# Altium PCB tools.PcbDoc (part 1 of 2)
Units mil, origin at the board's own origin, x right, y up, seen from the top; angles counter-clockwise.
Board outline 3234.68 x 4248.06 mil, 2 copper layers (Top Layer, Bottom Layer); 96 components, 68 nets, 398 pads, 109 vias.
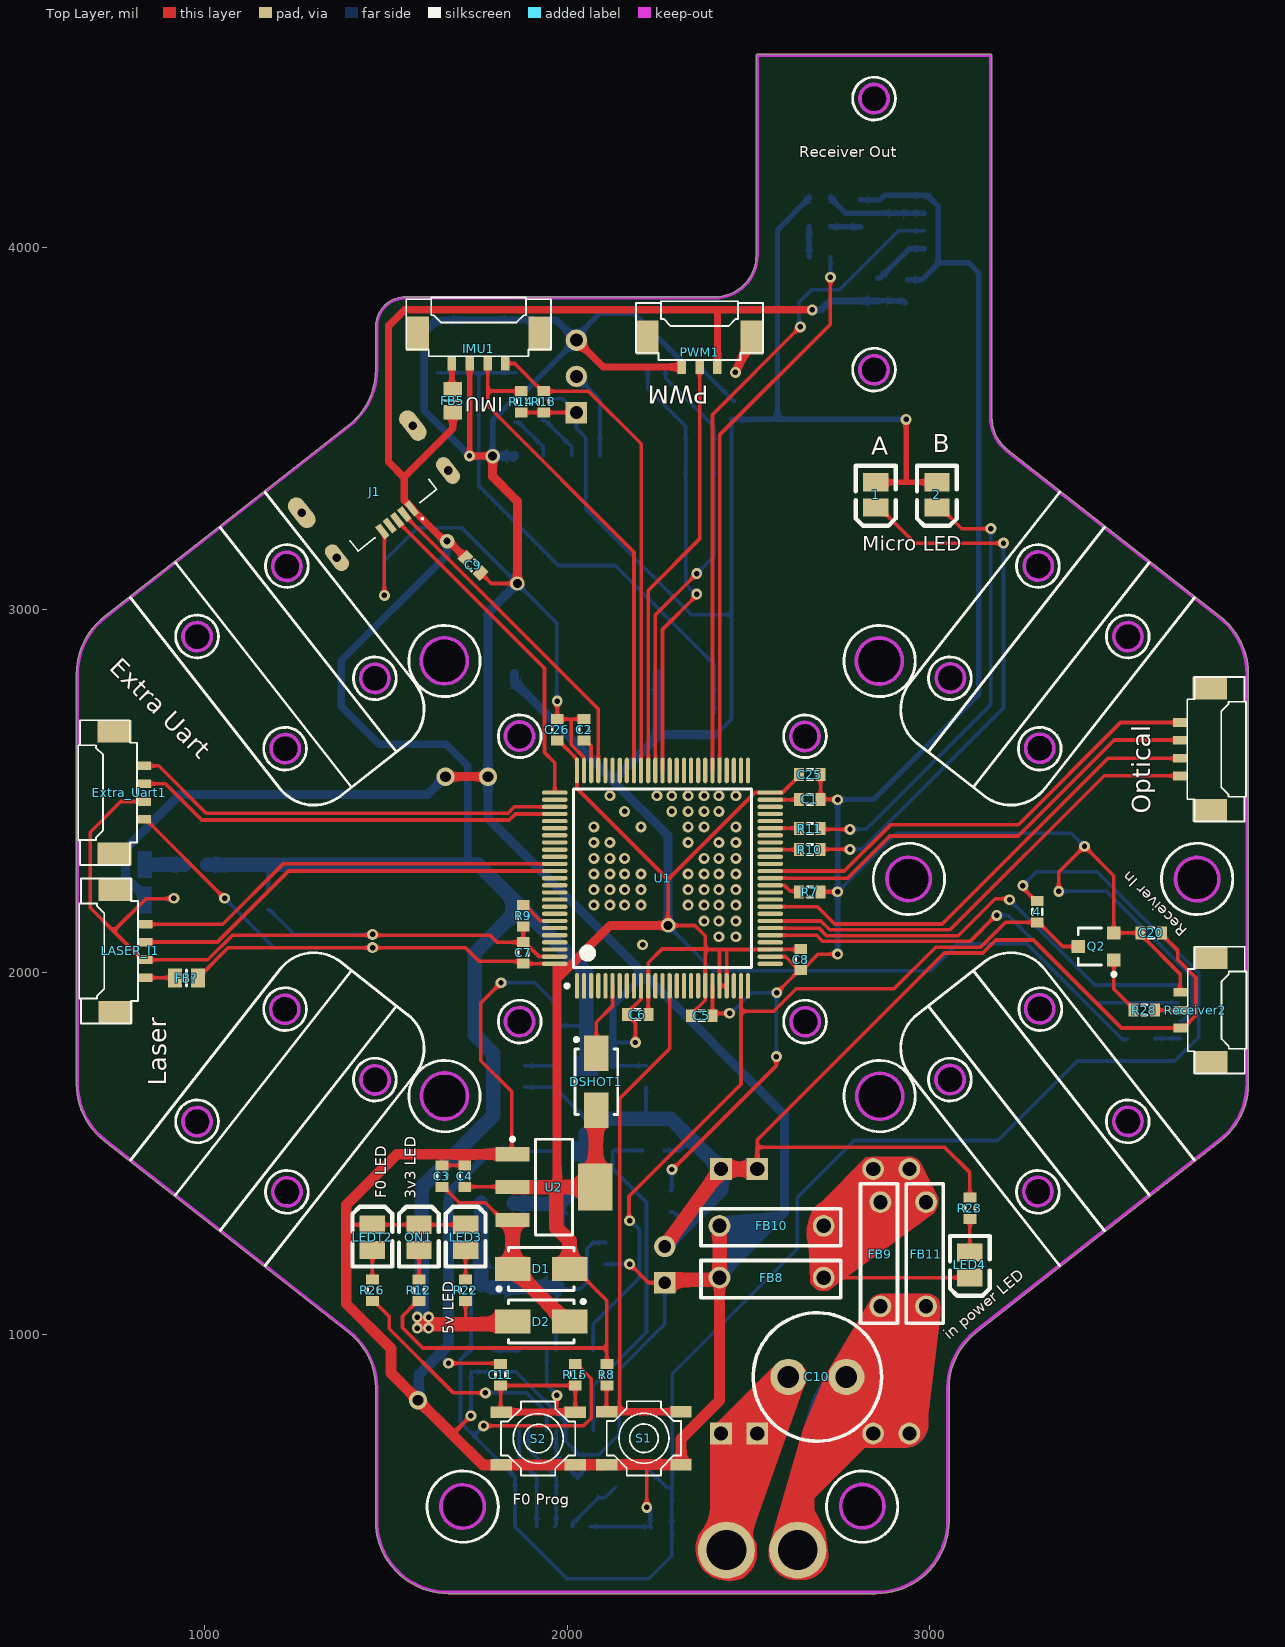
[diagram p0: Top Layer view]
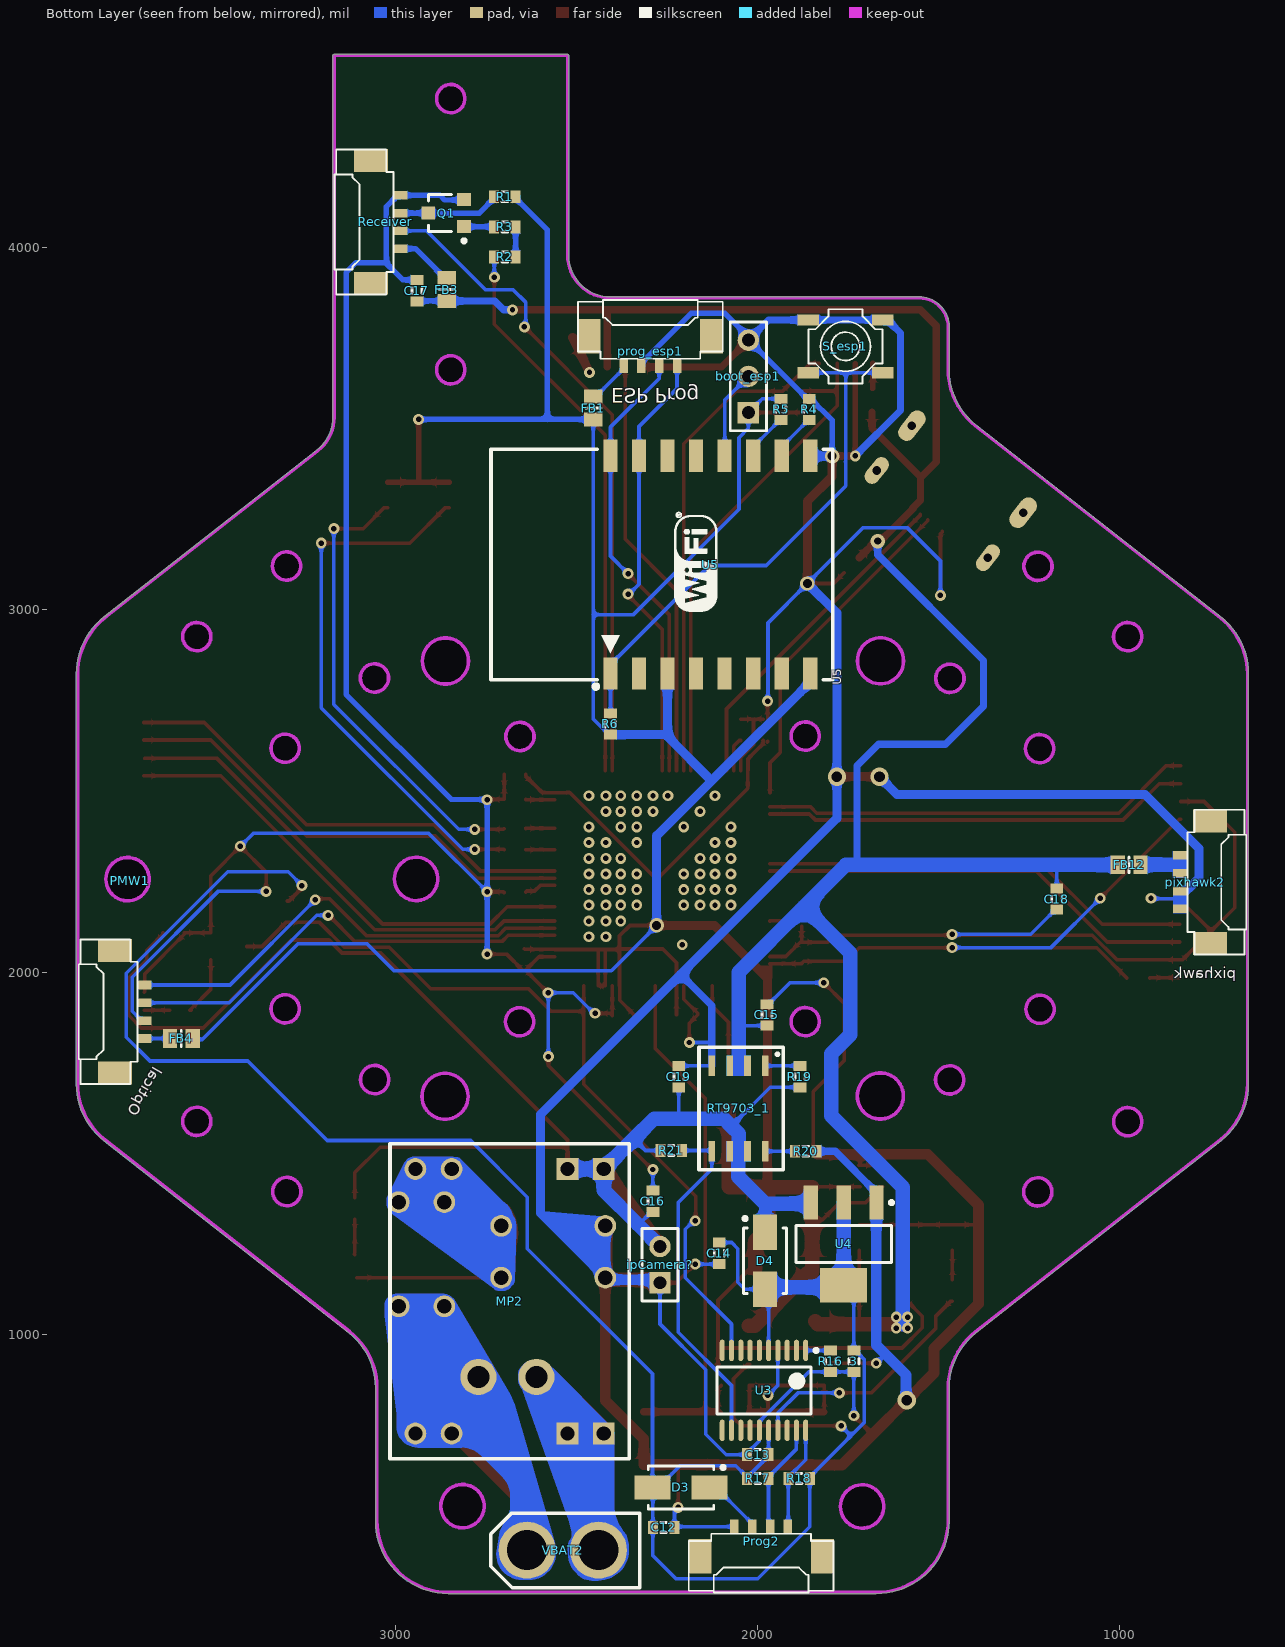
[diagram p1: Bottom Layer view, seen from below]

## Layer stack, top to bottom
Top Solder: solder mask 0.4, Solder Resist, Dk 3.5
Top Layer: signal copper 1.4
Dielectric 1: dielectric 12.6, FR-4, Dk 4.8
Bottom Layer: signal copper 1.4
Bottom Solder: solder mask 0.4, Solder Resist, Dk 3.5

## Board outline
721.87,1534.1 1397.11,1004.55 cw(c1278.07,852.76) 1470.97,852.76 1470.97,485.79 ccw(c1671.77,485.79) 1671.77,284.99 2852.88,284.99 ccw(c2852.88,485.79) 3053.68,485.79 3053.68,852.76 cw(c3246.58,852.76) 3127.54,1004.55 3802.78,1534.1 ccw(c3678.86,1692.11) 3879.67,1692.11 3879.67,2822.77 ccw(c3678.86,2822.77) 3802.78,2980.78 3215.5,3441.35 cw(c3285.95,3531.18) 3215.48,3441.36 cw(c3285.95,3531.18) 3171.79,3531.18 3171.79,4529.09 ccw(c3167.84,4529.09) 3167.84,4533.05 2525.01,4533.05 ccw(c2525.01,4529.09) 2521.05,4529.09 2521.05,3977.91 cw(c2406.9,3977.91) 2406.9,3863.76 1553.66,3863.76 ccw(c1553.66,3781.06) 1470.97,3781.06 1470.97,3662.12 cw(c1278.07,3662.12) 1397.11,3510.33 721.87,2980.78 ccw(c845.79,2822.77) 644.99,2822.77 644.99,1692.11 ccw(c845.79,1692.11)
cut-out: 3678.86,2257.44 ccw(c3737.92,2257.44) 3737.92,2198.39 ccw(c3737.92,2257.44) 3796.97,2257.44 ccw(c3737.92,2257.44) 3737.92,2316.5 ccw(c3737.92,2257.44)
cut-out: 2616.66,1863.74 ccw(c2656.03,1863.74) 2656.03,1824.37 ccw(c2656.03,1863.74) 2695.4,1863.74 ccw(c2656.03,1863.74) 2656.03,1903.11 ccw(c2656.03,1863.74)
cut-out: 2846.42,4371.61 cw(c2846.42,4410.98) 2807.05,4410.98 cw(c2846.42,4410.98) 2846.42,4450.35 cw(c2846.42,4410.98) 2885.79,4410.98 cw(c2846.42,4410.98)
cut-out: 2846.42,3623.58 cw(c2846.42,3662.95) 2807.05,3662.95 cw(c2846.42,3662.95) 2846.42,3702.32 cw(c2846.42,3662.95) 2885.79,3662.95 cw(c2846.42,3662.95)
cut-out: 1660.95,2795.83 cw(c1660.95,2858.82) 1597.96,2858.82 cw(c1660.95,2858.82) 1660.95,2921.81 cw(c1660.95,2858.82) 1723.94,2858.82 cw(c1660.95,2858.82)
cut-out: 978.15,2887.2 cw(c978.15,2926.57) 938.78,2926.57 cw(c978.15,2926.57) 978.15,2965.94 cw(c978.15,2926.57) 1017.52,2926.57 cw(c978.15,2926.57)
cut-out: 1468.94,1664.37 cw(c1468.94,1703.74) 1429.57,1703.74 cw(c1468.94,1703.74) 1468.94,1743.11 cw(c1468.94,1703.74) 1508.31,1703.74 cw(c1468.94,1703.74)
cut-out: 2754.45,525.16 ccw(c2813.51,525.16) 2813.51,466.1 ccw(c2813.51,525.16) 2872.56,525.16 ccw(c2813.51,525.16) 2813.51,584.21 ccw(c2813.51,525.16)
cut-out: 1652.09,525.16 ccw(c1711.14,525.16) 1711.14,466.1 ccw(c1711.14,525.16) 1770.2,525.16 ccw(c1711.14,525.16) 1711.14,584.21 ccw(c1711.14,525.16)
cut-out: 2616.66,2651.14 ccw(c2656.03,2651.14) 2656.03,2611.77 ccw(c2656.03,2651.14) 2695.4,2651.14 ccw(c2656.03,2651.14) 2656.03,2690.51 ccw(c2656.03,2651.14)
cut-out: 1868.62,2611.77 cw(c1868.62,2651.14) 1829.25,2651.14 cw(c1868.62,2651.14) 1868.62,2690.51 cw(c1868.62,2651.14) 1907.99,2651.14 cw(c1868.62,2651.14)
cut-out: 3264.18,2616.78 ccw(c3303.55,2616.78) 3303.55,2577.41 ccw(c3303.55,2616.78) 3342.92,2616.78 ccw(c3303.55,2616.78) 3303.55,2656.15 ccw(c3303.55,2616.78)
cut-out: 3507.13,2926.57 ccw(c3546.5,2926.57) 3546.5,2887.2 ccw(c3546.5,2926.57) 3585.87,2926.57 ccw(c3546.5,2926.57) 3546.5,2965.94 ccw(c3546.5,2926.57)
cut-out: 3259.3,3120.94 ccw(c3298.67,3120.94) 3298.67,3081.57 ccw(c3298.67,3120.94) 3338.04,3120.94 ccw(c3298.67,3120.94) 3298.67,3160.31 ccw(c3298.67,3120.94)
cut-out: 3016.34,2811.14 ccw(c3055.71,2811.14) 3055.71,2771.77 ccw(c3055.71,2811.14) 3095.08,2811.14 ccw(c3055.71,2811.14) 3055.71,2850.51 ccw(c3055.71,2811.14)
cut-out: 1468.94,2771.77 cw(c1468.94,2811.14) 1429.57,2811.14 cw(c1468.94,2811.14) 1468.94,2850.51 cw(c1468.94,2811.14) 1508.31,2811.14 cw(c1468.94,2811.14)
cut-out: 1225.99,3081.57 cw(c1225.99,3120.94) 1186.62,3120.94 cw(c1225.99,3120.94) 1225.99,3160.31 cw(c1225.99,3120.94) 1265.36,3120.94 cw(c1225.99,3120.94)
cut-out: 1221.1,2577.41 cw(c1221.1,2616.78) 1181.73,2616.78 cw(c1221.1,2616.78) 1221.1,2656.15 cw(c1221.1,2616.78) 1260.47,2616.78 cw(c1221.1,2616.78)
cut-out: 3259.3,1393.94 ccw(c3298.67,1393.94) 3298.67,1354.57 ccw(c3298.67,1393.94) 3338.04,1393.94 ccw(c3298.67,1393.94) 3298.67,1433.31 ccw(c3298.67,1393.94)
cut-out: 3507.13,1588.31 ccw(c3546.5,1588.31) 3546.5,1548.94 ccw(c3546.5,1588.31) 3585.87,1588.31 ccw(c3546.5,1588.31) 3546.5,1627.68 ccw(c3546.5,1588.31)
cut-out: 3264.18,1898.1 ccw(c3303.55,1898.1) 3303.55,1858.73 ccw(c3303.55,1898.1) 3342.92,1898.1 ccw(c3303.55,1898.1) 3303.55,1937.47 ccw(c3303.55,1898.1)
cut-out: 3016.34,1703.74 ccw(c3055.71,1703.74) 3055.71,1664.37 ccw(c3055.71,1703.74) 3095.08,1703.74 ccw(c3055.71,1703.74) 3055.71,1743.11 ccw(c3055.71,1703.74)
cut-out: 2798.74,1658.03 ccw(c2861.74,1658.03) 2861.74,1595.04 ccw(c2861.74,1658.03) 2924.73,1658.03 ccw(c2861.74,1658.03) 2861.74,1721.02 ccw(c2861.74,1658.03)
cut-out: 1597.96,1658.03 ccw(c1660.95,1658.03) 1660.95,1595.04 ccw(c1660.95,1658.03) 1723.94,1658.03 ccw(c1660.95,1658.03) 1660.95,1721.02 ccw(c1660.95,1658.03)
cut-out: 1225.99,1354.57 cw(c1225.99,1393.94) 1186.62,1393.94 cw(c1225.99,1393.94) 1225.99,1433.31 cw(c1225.99,1393.94) 1265.36,1393.94 cw(c1225.99,1393.94)
cut-out: 978.15,1548.94 cw(c978.15,1588.31) 938.78,1588.31 cw(c978.15,1588.31) 978.15,1627.68 cw(c978.15,1588.31) 1017.52,1588.31 cw(c978.15,1588.31)
cut-out: 1221.1,1858.73 cw(c1221.1,1898.1) 1181.73,1898.1 cw(c1221.1,1898.1) 1221.1,1937.47 cw(c1221.1,1898.1) 1260.47,1898.1 cw(c1221.1,1898.1)
cut-out: 1829.25,1863.74 ccw(c1868.62,1863.74) 1868.62,1824.37 ccw(c1868.62,1863.74) 1907.99,1863.74 ccw(c1868.62,1863.74) 1868.62,1903.11 ccw(c1868.62,1863.74)
cut-out: 2798.74,2858.82 ccw(c2861.74,2858.82) 2861.74,2795.83 ccw(c2861.74,2858.82) 2924.73,2858.82 ccw(c2861.74,2858.82) 2861.74,2921.81 ccw(c2861.74,2858.82)
cut-out: 2883.59,2257.44 ccw(c2942.64,2257.44) 2942.64,2198.39 ccw(c2942.64,2257.44) 3001.7,2257.44 ccw(c2942.64,2257.44) 2942.64,2316.5 ccw(c2942.64,2257.44)

## Design rules (kind name [scope] priority, off if disabled: settings)
Clearance [All] p1: gap=6 ignorepadtopadclearanceinfootprint=FALSE
ComponentClearance [All] p1 off: gap=10 collisioncheckmode=3 verticalgap=10 showdistances=FALSE
PolygonConnect [All] p1: connectstyle=Direct reliefconductorwidth=10 reliefentries=4 polygonreliefangle="90 Angle" airgapwidth=10
RoutingVias [All] p1: holewidth=28 width=50 viastyle="Through Hole" minholewidth=28 minwidth=50 maxholewidth=28 maxwidth=50
SolderMaskExpansion [All] p1: expansion=4
Width [All] p1: maxlimit=60 minlimit=10 preferedwidth=10
29 further rules are at their usual default settings.

## Classes and differential pairs
component class Power: 3 C10 C11 C12 C13 C14 C15 C16 C18 C19 D3 D4 FB8 FB9 FB10 FB11 FB12 ipCamera? LED3 LED4 LEDT2 MP2 pixhawk2 prog2 R15 R16 R17 R18 R19 R20 R21 R22 R23 R26 RT9703_1 S2 U3 U4 VBAT2
component class Micro: 1 2 C1 C2 C3 C4 C5 C6 C7 C8 C9 C25 C26 D1 D2 DSHOT1 J1 ON1 R7 R8 R9 R10 R11 R12 R13 R14 S1 U1 U2
component class commucational: 4 boot_esp1 C17 C20 Extra_Uart1 FB1 FB3 FB4 FB5 FB? IMU1 LASER_I1 PMW1 prog_esp1 PWM1 Q1 Q2 R1 R2 R3 R4 R5 R6 R28 Receiver Receiver2 S_esp1 U5

## Components (designator, comment, footprint, x,y, rotation, side; value= is the part's Value field where it differs from the comment)
1 "LEDB" 3518 2851,3317.23 r270 top
2 "LEDG" 3518 3020,3317.23 r270 top
3 "Cap" j1-0603 1734,926.55 r90 bottom value=100nF
4 "Res" J1-0603 3297,2167 r90 top value=10K
boot_esp1 "Header 3" HDR1X3 2025,3544.3 r90 bottom
C1 "2.2uF" j1-0603 2669.39,2477 r0 top
C2 "2.2uF" j1-0603 2046.1,2669 r90 top
C3 "10uF" J1-0603 1653.87,1437.43 r270 top value=100nF
C4 "10uF" J1-0603 1716.77,1437.43 r270 top value=100nF
C5 "100nF" j1-0603 2371.36,1880 r180 top
C6 "100nF" J1-0603 2194,1883 r0 top
C7 "100nF" j1-0603 1878.25,2053.3 r270 top
C8 "100nF" J1-0603 2644,2035 r90 top
C9 "10uF" j1-0603 1740,3122.88 r135 top value=100nF
C10 "Cap_UP" "Deep Cap gerdaloo" 2770,883 r180 top value=100pF
C11 "" j1-0603 1816,889 r270 top value=100nF
C12 "" j1-0603 2259,468.03 r0 bottom value=100nF
C13 "Cap" j1-0603 1999,668.63 r180 bottom value=100nF
C14 "Cap_El" J1-0603 2105.32,1224.41 r270 bottom value=10uF
C15 "Cap Pol1" J1-0603 1973.72,1882 r90 bottom value=33uf
C16 "Cap Pol1" J1-0603 2288.53,1368 r90 bottom value=10uf
C17 "" j1-0603 2940,3881 r270 bottom value=100nF
C18 "" j1-0603 1174,2202 r90 bottom value=100nF
C19 "" j1-0603 2217,1712 r270 bottom value=100nF
C20 "" j1-0603 3611,2108.4 r0 top value=100nF
C25 "100nF" j1-0603 2669.39,2545.59 r180 top
C26 "100nF" j1-0603 1972,2669 r270 top
D1 "SM5822" US1M 1927.71,1181 r180 top
D2 "SM5822" US1M 1927.71,1036 r0 top
D3 "1N4007" US1M 2211,578 r180 bottom
D4 "1N4007" US1M 1979,1204 r90 bottom
DSHOT1 "SM5822" US1M 2080,1698 r90 top
Extra_Uart1 "uart" "SHeader 4" 832,2421.79 r90 top locked
FB1 "Ferrite Beed" 6-0805_L 2453,3557 r90 bottom
FB3 "Ferrite Beed" 6-0805_L 2857,3884 r90 bottom
FB4 "Ferrite Beed" 6-0805_L 3590,1817.06 r0 bottom
FB5 "Ferrite Beed" 6-0805_L 1684,3577 r90 top
FB8 "Ferrite Beed" deepFB 2707.38,1157 r180 top
FB9 "Ferrite Beed" deepFB 2864,1078 r90 top
FB10 "Ferrite Beed" deepFB 2707.38,1300 r180 top
FB11 "Ferrite Beed" deepFB 2990,1078 r90 top
FB12 "Ferrite Beed" 6-0805_L 974.27,2296 r180 bottom
FB? "Ferrite Beed" 6-0805_L 949,1984 r0 top
IMU1 "IMU_I2C" "SHeader 4" 1681.57,3680 r0 top locked
ipCamera? "Header 2" HDR1X2 2269,1143 r90 bottom
J1 "476421001" *MOLEX_476421001_476421001(Primary) 1450.29,3350 r218.1 top
LASER_I1 "Header 4" "SHeader 4" 835,1984.79 r90 top locked
LED3 "LED1" 3518 1719.18,1268 r90 top
LED4 "LED1" 3518 3111,1192 r270 top
LEDT2 "" 3518 1462,1268 r90 top
MP2 "MP1584" MP1584 2424,727 r90 bottom locked
ON1 "LEDR" 3518 1590.59,1268 r90 top
pixhawk2 "Header" "SHeader 4" 833,2322.21 r270 bottom locked
PMW1 "PMW(optical flow majule)" "PMW(optical flow)" 3793.12,2267.95 r90 bottom locked
Prog2 "programmer" "SHeader 4" 1915.79,470 r0 bottom locked (schematic designator prog2)
prog_esp1 "Header 4" "SHeader 4" 2369.53,3673.31 r180 bottom locked
PWM1 "Header 3" "SHeader 3" 2315.79,3670 r0 top locked
Q1 "2N2222" SOT-23 2859,4095 r90 bottom
Q2 "2N2222" SOT-23 3459,2071 r90 top
R1 "10k" J1-0603 2697,4140 r180 bottom value=1K
R2 "10k" J1-0603 2697,3974 r180 bottom value=1K
R3 "10k" J1-0603 2697,4057 r180 bottom value=1K
R4 "Res1" J1-0603 1857,3553 r90 bottom value=10K
R5 "Res1" J1-0603 1935,3553 r90 bottom value=10K
R6 "Res1" J1-0603 2405.59,2685 r270 bottom value=10K
R7 "10K" j1-0603 2669.39,2221 r180 top value=1K
R8 "10K" j1-0603 2109,889 r270 top value=1K
R9 "10K" j1-0603 1878.25,2155.66 r270 top
R10 "330" j1-0603 2669.39,2338.28 r180 top value=1K
R11 "330" j1-0603 2669.39,2396.35 r180 top value=1K
R12 "330" J1-0603 1590.59,1122 r270 top value=1K
R13 "4.7K" j1-0603 1935,3574 r90 top value=1K
R14 "4.7K" j1-0603 1873,3574 r90 top value=1K
R15 "" J1-0603 2022,889 r270 top value=10k
R16 "10k" j1-0603 1798,926.55 r90 bottom value=1K
R17 "" J1-0603 1999,603 r180 bottom value=10k
R18 "" J1-0603 1885,603 r0 bottom value=10k
R19 "Res1" j1-0603 1883,1712 r90 bottom value=10K
R20 "Res1" j1-0603 1867,1505.89 r0 bottom value=47K
R21 "Res1" j1-0603 2238,1508 r0 bottom value=4.7K
R22 "Res1" j1-0603 1719.18,1122 r90 top value=330
R23 "Res1" j1-0603 3111,1348.27 r270 top value=330
R26 "Res1" j1-0603 1462,1122 r90 top value=220
R28 "Res" J1-0603 3592,1895.32 r180 top value=10K
Receiver "Header" "SHeader 4" 2985,3996.57 r90 bottom locked
Receiver2 "Header 3" "SHeader 3" 3692.31,1944.53 r270 top locked
RT9703_1 "RT9703( 3A power switch)" RT9703 2052,1624 r270 bottom
S1 "SW-PB" SW-PB-4P 2109,786.67 r0 top
S2 "RST-SW" SW-PB-4P 2022,640.33 r180 top
S_esp1 "SW-PB" SW-PB-4P 1654.74,3654.33 r0 bottom
U1 "STM32F40X_41X-SQ100" 100A_N 2262.64,2259.54 r90 top locked
U2 "REG1117-3.3" SOT223 1963,1407 r0 top
U3 "STM32F030F4" STM-TSSOP20_L 1982,846 r270 bottom
U4 "REG1117-3.3" SOT223 1762,1250 r270 bottom
U5 "ESP8266 ESP_12" "ESP8266 ESP_12" 2130,3125 r90 bottom locked
VBAT2 "Header 2" xt-30 2738.21,507.36 r270 bottom

## Footprints (in the part's own frame and the unit in brackets; to place one, negate y for a bottom-side part, rotate by r counter-clockwise, add the part's x,y. Pads: shape width x height; smd on the part's side, far side on the other; paste and mask are expansions set on the pad)
6-0805_L [mm] "Chip Resistor, Body 2.0x1.2mm, IPC High Density"
  rect 1x1.3 smd: 1(-0.8,0) 2(0.8,0)
  silkscreen extent 0,-0.55 0,0.55, body extent -1.07,-0.7 1.07,0.7, height 0.7
100A_N [mm] "Thin QFP, 100-Leads, Body 14x14mm, Pitch 0.5mm, IPC Medium Density"
  oval 1.8x0.3 smd: 1(-7.55,6) 2(-7.55,5.5) 3(-7.55,5) 4(-7.55,4.5) 5(-7.55,4) 6(-7.55,3.5) 7(-7.55,3) 8(-7.55,2.5) 9(-7.55,2) 10(-7.55,1.5) 11(-7.55,1) 12(-7.55,0.5) 13(-7.55,0) 14(-7.55,-0.5) 15(-7.55,-1) 16(-7.55,-1.5) 17(-7.55,-2) 18(-7.55,-2.5) 19(-7.55,-3) 20(-7.55,-3.5) 21(-7.55,-4) 22(-7.55,-4.5) 23(-7.55,-5) 24(-7.55,-5.5) 25(-7.55,-6) 51(7.55,-6) 52(7.55,-5.5) 53(7.55,-5) 54(7.55,-4.5) 55(7.55,-4) 56(7.55,-3.5) 57(7.55,-3) 58(7.55,-2.5) 59(7.55,-2) 60(7.55,-1.5) 61(7.55,-1) 62(7.55,-0.5) 63(7.55,0) 64(7.55,0.5) 65(7.55,1) 66(7.55,1.5) 67(7.55,2) 68(7.55,2.5) 69(7.55,3) 70(7.55,3.5) 71(7.55,4) 72(7.55,4.5) 73(7.55,5) 74(7.55,5.5) 75(7.55,6)
  oval 0.3x1.8 smd: 26(-6,-7.55) 27(-5.5,-7.55) 28(-5,-7.55) 29(-4.5,-7.55) 30(-4,-7.55) 31(-3.5,-7.55) 32(-3,-7.55) 33(-2.5,-7.55) 34(-2,-7.55) 35(-1.5,-7.55) 36(-1,-7.55) 37(-0.5,-7.55) 38(0,-7.55) 39(0.5,-7.55) 40(1,-7.55) 41(1.5,-7.55) 42(2,-7.55) 43(2.5,-7.55) 44(3,-7.55) 45(3.5,-7.55) 46(4,-7.55) 47(4.5,-7.55) 48(5,-7.55) 49(5.5,-7.55) 50(6,-7.55) 76(6,7.55) 77(5.5,7.55) 78(5,7.55) 79(4.5,7.55) 80(4,7.55) 81(3.5,7.55) 82(3,7.55) 83(2.5,7.55) 84(2,7.55) 85(1.5,7.55) 86(1,7.55) 87(0.5,7.55) 88(0,7.55) 89(-0.5,7.55) 90(-1,7.55) 91(-1.5,7.55) 92(-2,7.55) 93(-2.5,7.55) 94(-3,7.55) 95(-3.5,7.55) 96(-4,7.55) 97(-4.5,7.55) 98(-5,7.55) 99(-5.5,7.55) 100(-6,7.55)
  silkscreen extent -7.67,-6.25 6.25,6.82, body extent -7,-7 7,7, height 1.2
3518 [mil]
  rect 50x70 smd: 1(35,0) 2(-35,0)
  silkscreen extent -80,-55 85,55
*MOLEX_476421001_476421001(Primary) [mm]
  rect 0.45x1.1 smd: 1(-1.3,3.285) 2(-0.65,3.285) 3(0,3.285) 4(0.65,3.285) 5(1.3,3.285)
  oval 1.2x2.4 hole 0.6: P1(-4.95,-1.235) P2(4.95,-1.235)
  oval 1.05x2.1 hole 0.6: P3(-4.95,2.765) P4(4.95,2.765)
  silkscreen extent -3.5,2.41 3.5,4.36
"Deep Cap gerdaloo" [mil]
  round 100 hole 60: 1(0,0) 2(160,0)
  silkscreen extent -97,-177 257,177
deepFB [mil]
  round 60 hole 39.37: 1(0,0) 2(287.4,0)
  silkscreen extent -47,-47 339,55
"ESP8266 ESP_12" [mm] "ESP8266 ESP-12"
  rect 2.25x1 smd: 1(-7.625,7) 2(-7.625,5) 3(-7.625,3) 4(-7.625,1) 5(-7.625,-1) 6(-7.625,-3) 7(-7.625,-5) 8(-7.625,-7) 9(7.625,-7) 10(7.625,-5) 11(7.625,-3) 12(7.625,-1) 13(7.625,1) 14(7.625,3) 15(7.625,5) 16(7.625,7)
  silkscreen extent -8.7,-8.57 8.08,15.37, body extent -7.86,-8.52 8.16,15.51, height 3.82
HDR1X2 [mm] "Connector; Header; 2 Position"
  rect 1.5x1.5 hole 0.9: 1(0,0)
  round 1.5 hole 0.9: 2(2.54,0)
  silkscreen extent -1.27,-1.27 3.81,1.27
HDR1X3 [mm] "Connector; Header; 3 Position"
  rect 1.5x1.5 hole 0.9: 1(0,0)
  round 1.5 hole 0.9: 2(2.54,0) 3(5.08,0)
  silkscreen extent -1.27,-1.27 6.35,1.27
j1-0603 [mm] "Chip Resistor, Body 1.6x0.8mm, IPC High Density"
  rect 0.7x0.9 smd: 1(-0.75,0) 2(0.75,0)
  silkscreen extent -0.2,-0.35 0.2,0.35, body extent -0.85,-0.48 0.85,0.48, height 0.9
J1-0603 [mm] "Chip Resistor, Body 1.6x0.8mm, IPC High Density"
  rect 0.7x0.9 smd: 1(-0.75,0) 2(0.75,0)
  silkscreen extent -0.2,-0.35 0.2,0.35, body extent -0.85,-0.48 0.85,0.48, height 0.9
MP1584 [mil]
  round 60 hole 39.37: GND1(0,420) GND1(0,520) GND2(730,420) GND2(730,520)
  rect 60x60 hole 39.37: Vi(0,0) Vi(0,100) Vo(730,0) Vo(730,100)
  silkscreen extent -70,-70 800,590, body extent -69,-75 801,587, height 161
"PMW(optical flow)" [mm]
  rect 1.6x2.4 smd: 0(-13.878,-0.511) 0(-5.278,-0.511)
  rect 1.6x2.4 smd far side: 0(4.522,-0.511) 0(13.122,-0.511)
  rect 0.6x1 smd: 3V3(-11.453,-2.586) CLK(-8.953,-2.586) GND(-10.203,-2.586) MISO(-7.703,-2.586)
  rect 0.6x1 smd far side: CS(8.197,-2.586) MOSI(6.947,-2.586) MOTION(10.697,-2.586) RST(9.447,-2.586)
  silkscreen extent -14.65,-2.09 -4.5,2.03, body extent -14.65,-2.71 13.9,2.06, height 3.5
RT9703 [mm]
  rect 1.42x0.47 smd: CE(3,-1.875) FLAG(-3,1.875) GND(-3,-1.875) IP(3,1.875) VIN(3,-0.625) VIN(3,0.625) VOUT(-3,-0.625) VOUT(-3,0.625)
  silkscreen extent -4.3,-2.78 4.3,3.13
"SHeader 3" [mm]
  rect 1.6x2.4 smd: 0(-2.425,2.075) 0(4.925,2.075)
  rect 0.6x1 smd: 1(0,0) 2(1.25,0) 3(2.5,0)
  silkscreen extent -3.2,0.5 5.7,4.62, body extent -3.2,-0.12 5.7,4.65, height 3.5
"SHeader 4" [mm]
  rect 1.6x2.4 smd: 0(-2.425,2.075) 0(6.175,2.075)
  rect 0.6x1 smd: 1(0,0) 2(1.25,0) 3(2.5,0) 4(3.75,0)
  silkscreen extent -3.2,0.5 6.95,4.62, body extent -3.2,-0.12 6.95,4.65, height 3.5
SOT223 [mm] "SOT223, 4-Leads, Body 6.7x7.3mm (max), Pitch 2.30mm, IPC Medium Density"
  rect 2.4x1 smd: 1(-2.9,2.3) 2(-2.9,0) 3(-2.9,-2.3)
  rect 2.4x3.3 smd: 4(2.9,0)
  silkscreen extent -3.02,-3.35 1.3,3.47, body extent -1.85,-3.35 1.85,3.35, height 1.8
SOT-23 [mm] "SOT-23; 3 Leads; Body 3.0 x 2.6 mm, inc. leads (LxW max)"
  rect 0.9x0.95 smd: 1(0,1.25) 2(-0.95,-1.25) 3(0.95,-1.25)
  silkscreen extent -2.07,-1.37 1.3,1.25, body extent -1.33,-0.38 1.33,1.25, height 2
STM-TSSOP20_L [mm] "SOP, 20-Leads, Body 6.6x4.5mm, Pitch 0.65mm, IPC High Density"
  oval 1.5x0.35 smd: 1(-2.8,2.925) 2(-2.8,2.275) 3(-2.8,1.625) 4(-2.8,0.975) 5(-2.8,0.325) 6(-2.8,-0.325) 7(-2.8,-0.975) 8(-2.8,-1.625) 9(-2.8,-2.275) 10(-2.8,-2.925) 11(2.8,-2.925) 12(2.8,-2.275) 13(2.8,-1.625) 14(2.8,-0.975) 15(2.8,-0.325) 16(2.8,0.325) 17(2.8,0.975) 18(2.8,1.625) 19(2.8,2.275) 20(2.8,2.925)
  silkscreen extent -2.92,-3.3 1.65,3.77, body extent -2.25,-3.3 2.25,3.3, height 1.2
SW-PB-4P [mm]
  rect 1.5x0.8 smd: 1(0,0) 1(5.2,0) 2(0,-3.7) 2(5.2,-3.7)
  silkscreen extent 0,-4.45 5.2,0.75, body extent 0,-4.45 5.22,0.75, height 2.2
US1M [mm] "Molded Diode, 2-Leads, Body 4.3x2.6mm, IPC Medium Density"
  rect 2.5x1.7 smd: 1(-2,0) 2(2,0)
  silkscreen extent -2.3,-1.5 3.07,1.52, body extent -2.3,-1.46 2.3,1.46, height 2.3
xt-30 [mm]
  round 4 hole 2.8: +(2.6,7.6) -(2.6,2.6)
  silkscreen extent 0,0.05 5.23,10.49, body extent 0.01,0.01 5.26,10.46, height 13.5

## Part data
1 2 ON1: library part LED0, "Typical INFRARED GaAs LED", LatestRevisionDate=08-Jul-2005, LatestRevisionNote="Mech Layer 1 removed.", PackageReference=LED-0, Published=8-Jun-2000, Publisher="Altium Limited"
3 C10 C13 C14: "Capacitor", Publisher="Altium Limited"
  3 C10 C13: LatestRevisionDate=17-Jul-2002, LatestRevisionNote="Re-released for DXP Platform.", PackageReference=RAD-0.3, Published=8-Jun-2000
  C14: PackageReference=CAPR5-4X5, Published=23-Sep-2002
4 R28: "Semiconductor Resistor", LatestRevisionDate=17-Jul-2002, LatestRevisionNote="Re-released for DXP Platform.", PackageReference=AXIAL-0.5, Published=8-Jun-2000, Publisher="Altium Limited"
boot_esp1 PWM1 Receiver2: "Header, 3-Pin", LatestRevisionDate=17-Jul-2002, LatestRevisionNote="Re-released for DXP Platform.", Publisher="Altium Limited"
C1 C2: library part Cap_UP, "Capacitor", LatestRevisionDate=17-Jul-2002, LatestRevisionNote="Re-released for DXP Platform.", PackageReference=RAD-0.3, Published=8-Jun-2000, Publisher="Altium Limited"
C3 C4 C5 C6 C7 C8 C9 C25 C26: library part Cap, "Capacitor", LatestRevisionDate=17-Jul-2002, LatestRevisionNote="Re-released for DXP Platform.", PackageReference=RAD-0.3, Published=8-Jun-2000, Publisher="Altium Limited"
C11 C12 C17 C18 C19 C20: library part Cap, "Capacitor", Manufacturer="Generic Components", Class=Passive, Published=08/06/2000, Publisher="Altium Hobart Technology Centre", SubClass=Capacitor
C15 C16: "Polarized Capacitor (Radial)", LatestRevisionDate=17-Jul-2002, LatestRevisionNote="Re-released for DXP Platform.", PackageReference=RB7.6-15, Published=8-Jun-2000, Publisher="Altium Limited"
D1 D2 DSHOT1: library part Diode_ShotKey, "1 Amp General Purpose Rectifier", Package Information="Latest Revision: Aug-1999", Package Reference=DO-41, Code - JEDEC=DO-204-AL, Datasheet="Latest Revision: 1998", Published=8-Jun-2000, Publisher="Altium Limited", Revision 1="11-Jul-2000: SIM Model Added.", Revision 2="17-Jul-2002: Re-released for DXP Platform."
D3 D4: library part Diode, "1 Amp General Purpose Rectifier", Package Information="Latest Revision: Aug-1999", Package Reference=DO-41, Code - JEDEC=DO-204-AL, Datasheet="Latest Revision: 1998", Published=8-Jun-2000, Publisher="Altium Limited", Revision 1="11-Jul-2000: SIM Model Added.", Revision 2="17-Jul-2002: Re-released for DXP Platform."
Extra_Uart1 IMU1 LASER_I1: library part MHDR1X4, "Header, 4-Pin", LatestRevisionDate=17-Jul-2002, LatestRevisionNote="Re-released for DXP Platform.", Publisher="Altium Limited"
ipCamera? VBAT2: "Header, 2-Pin", Publisher="Altium Limited"
  ipCamera?: LatestRevisionDate=17-Jul-2002, LatestRevisionNote="Re-released for DXP Platform."
  VBAT2: Revision="17-Jul-2002: Re-released for DXP Platform."
J1: "Micro-USB B Receptacle, Mid-Mount, with Through Hole Solder Tab, Gold _Au_ Flash Plating, without Mylar, Lead-Free", Package=None, Availability=Unavailable, MF=Molex, MP=476421001, Price=None, SnapEDA_Link=https://www.snapeda.com/parts/476421001/Molex/view-part/?ref=snap
LED3 LED4 LEDT2: library part LED3, "Typical BLUE SiC LED", PackageDocument=16-Apr-2002, DatasheetDocument=16-Apr-2002, LatestRevisionDate=17-Dec-2003, LatestRevisionNote="PCB Footprint replaced.", PackageReference=3.5X2.8X1.9, Published=8-Jun-2000, Publisher="Altium Limited"
pixhawk2 Prog2 Receiver: library part "Header 4", "Header, 4-Pin", LatestRevisionDate=17-Jul-2002, LatestRevisionNote="Re-released for DXP Platform.", Publisher="Altium Limited"
prog_esp1: "Header, 4-Pin", LatestRevisionDate=17-Jul-2002, LatestRevisionNote="Re-released for DXP Platform.", Publisher="Altium Limited"
Q1 Q2: "NPN Bipolar Transistor", Code_JEDEC=TO-226-AA, LatestRevisionDate=17-Jul-2002, LatestRevisionNote="Re-released for DXP Platform.", PackageReference=TO-226, Published=8-Jun-2000, Publisher="Altium Limited"
R1 R2 R3 R7 R8 R10 R11 R12 R13 R14 R16: library part Res1, "Resistor", LatestRevisionDate=17-Jul-2002, LatestRevisionNote="Re-released for DXP Platform.", PackageReference=AXIAL-0.3, Published=8-Jun-2000, Publisher="Altium Limited"
R4 R5 R6 R19 R20 R21 R22 R23 R26: "Resistor", LatestRevisionDate=17-Jul-2002, LatestRevisionNote="Re-released for DXP Platform.", PackageReference=AXIAL-0.3, Published=8-Jun-2000, Publisher="Altium Limited"
  R4 R5 R6: PackageDescription="Axial Device, Thru-Hole; 2 Leads; 0.3 in Pin Spacing"
R9 R15 R17 R18: library part Res, "Semiconductor Resistor", LatestRevisionDate=17-Jul-2002, LatestRevisionNote="Re-released for DXP Platform.", PackageReference=AXIAL-0.5, Published=8-Jun-2000, Publisher="Altium Limited"
S1 S_esp1: "Switch", LatestRevisionDate=17-Jul-2002, LatestRevisionNote="Re-released for DXP Platform.", PackageReference=SPST-2, Published=24-Mar-1999, Publisher="Altium Limited"
S2: library part SW-PB, "Switch", LatestRevisionDate=17-Jul-2002, LatestRevisionNote="Re-released for DXP Platform.", PackageReference=SPST-2, Published=24-Mar-1999, Publisher="Altium Limited"
U2 U4: "800mA and 1A Low Dropout Positive Regulator 2.85V, 3.3V, 5V, and Adjustable", ComponentLink1Description="Manufacturer Link", ComponentLink1URL=http://www.ti.com/, ComponentLink2Description=Datasheet, ComponentLink2URL=http://www-s.ti.com/sc/ds/REG1117.pdf, DatasheetVersion=Sep-1997, LatestRevisionDate=17-Jul-2002, LatestRevisionNote="Re-released for DXP Platform.", PackageDescription="SOT-223/SC-73; 4 Leads; Body 6.7 x 7.3 mm, inc. leads (LxW max)", PackageReference=ZZ311, PackageVersion=revC, Published=8-Jun-2000, Publisher="Altium Limited"
U3: "STM 32Bits Microcontroller"
U5: "ESP8266 ESP-12", IC=ESP8266-EX, LatestReviewer="Zion Blue", LatestRevisionData=14-Apr-2015, LatestRevisionNote="Include 3D body and Footprint", Published=14-Apr-2015, Publisher="Cynetik Group", Vendor=Ai-thinker
FB1 FB3 FB4 FB5 FB8 FB9 FB10 FB11 FB12 FB?: Code_IEC=1005, Code_JEITA=0402, LatestRevisionDate=17-Jul-2002, LatestRevisionNote="Re-released for DXP Platform.", PackageReference=0402-A, Published=8-Jun-2000, Publisher="Altium Limited"

## Via types
v1: diameter 30, hole 15, Top Layer to Bottom Layer, tented both sides, 102 vias
v2: diameter 50, hole 30, Top Layer to Bottom Layer, tented both sides, 3 vias
v3: diameter 40, hole 25, Top Layer to Bottom Layer, tented both sides, 3 vias
v4: diameter 40, hole 20, Top Layer to Bottom Layer, tented both sides, 1 vias

## Nets (pads, with @x,y where several pads share a name; then routed paths per layer and width w, separated by ;. In a path a pad name is that pad's centre, name@x,y a point inside that pad or via, vN(x,y) a via of type N, cw(c..) or ccw(c..) an arc to the next point about the centre after c; other vN are vias at no path point)
3V3: 1.2 2.2 boot_esp1.1 C4.2 C5.2 C6.2 C7.2 C8.2 C25.2 C26.2 D1.1 DSHOT1.1 Extra_Uart1.1 FB1.1 FB4.1 FB?.2 R1.2 R5.2 R6.2 R8.1 R12.2 R13.1 R14.1 U1.11 U1.19 U1.21 U1.22 U1.28 U1.50 U1.75 U1.100 U2.2 U2.4 U5.3 U5.8 | length 13134.2
  Top Layer w10: Extra_Uart1.1@832,2421.79 836.21,2421.79 v1(1054,2204) ; FB?.2@980.5,1984 1063.71,2067.21 1718.79,2067.21 1756,2030 1872.02,2030 C7.2@1878.25,2023.77 1878.48,2023.55 1965.17,2023.55 U1.100@1965.39,2023.32 ; R12.2@1590.59,1092.47 1586.65,1092.47 1545,1050.82 1545,1019 1601,963 2109,963 ; C4.2@1716.77,1407.91 U2.2@1842.39,1407.91 ; U2.2@1842.62,1400.79 U2.2@1848.83,1407 ; R14.1@1873,3544.47 R13.1@1935,3544.47 boot_esp1.1@2020.83,3544.47 ; C26.2@1972,2636.68 C26.2@1973.42,2635.26 ; C26.2@1984,2639.47 1984,2631 2026.07,2588.93 2026.07,2557.13 U1.75@2026.42,2556.79 2026.76,2556.44 2026.76,2507.24 2278,2256 ; D1.1@2006.45,1181 2022.2,1181 2109,1094.2 2109,963 ; D1.1@2007.74,1169 D1.1@2023.49,1169 ; boot_esp1.1@2013.83,3555.47 boot_esp1.1@2025,3544.3 ; R8.1@2105.06,918.53 R8.1@2109,918.53 ; R8.1@2112.94,918.53 R8.1@2109,918.53 ; C6.2@2223.53,1883 2223.4,1883.13 2223.4,1962.17 U1.11@2223.27,1962.3 2223.27,2026.27 2261,2064 2379.44,2064 2380.75,2062.69 ; C5.2@2341.83,1880 2341.83,1883.94 2380.4,1922.5 2380.4,1961.95 U1.19@2380.75,1962.3 2380.75,2062.69 ; C25.2@2639.86,2545.59 2639.86,2541.66 2593.97,2495.76 U1.50@2559.88,2495.76 2517.76,2495.76 2278,2256 ; C8.2@2644,2064.53 2642.51,2063.04 2560.23,2063.04 U1.28@2559.88,2062.69 2440,2062.69 ; R8.1@2109,918.53 2109,963 ; 2278,2256 v3(2278,2129) 2352,2129 2380.75,2100.25 2380.75,2062.69 ; 2380.75,2062.69 2421,2062.69 ; 2421,2062.69 2440,2062.69 ; 2421,2062.69 2419.77,2061.46 2419.77,1962.64 U1.21@2420.12,1962.3 U1.22@2439.8,1962.3 2439.8,2062.5 2440,2062.69
  Top Layer w15: 1.2@2851,3352.23 2933,3352.23 ; v1(2935,3525.5) 2935,3354.23 2933,3352.23 ; 2.2@3020,3352.23 2933,3352.23
  Top Layer w20: U2.2@1860.59,1399.24 U2.2@1861.83,1398
  Top Layer w25: 1972,1407 1972,1982 2119,2129 v3(2278,2129)
  Top Layer w40: U2.2@1848.83,1407 1954,1407 ; 1963,1407 1970,1407 ; D1.1@2006.45,1181 2006.45,1258.55 1970,1295 1970,1407 ; DSHOT1.1@2080,1619.26 2078.59,1617.85 2078.59,1408.41 U2.4@2077.17,1407 1972,1407 1970,1407
  Bottom Layer w10: v1(1054,2204) 1190,2068 v1(1462.67,2068) v1@1465,2068 ; R5.2@1935,3582.53 1986.78,3582.53 boot_esp1.1@2025,3544.3 2025,3501 2051,3475 2051,3278 2342,2987 2453,2987 ; v3(2278,2129) 2403,2004 3003,2004 3077,2078 3077,2079 3267,2079 3531.36,1814.64 FB4.1@3544.56,1814.64 ; R6.2@2405.59,2655.47 2409.53,2655.47 2453,2698.94 2453,2987 ; FB1.1@2453,3525.5 2453,2987
  Bottom Layer w15: FB1.1@2453,3525.5 2580,3525.5 ; R1.2@2667.47,4140 2667.47,4136.06 2580,4048.59 2580,3525.5 ; v1(2935,3525.5) 2580,3525.5
  Bottom Layer w25: U5.8@1854.41,2824.8 1854.41,2800.2 2115.8,2538.8 ; 2116.3,2538.3 2125.8,2528.8 ; U5.3@2248.11,2824.8 2248.11,2650.09 ; v3(2278,2129) 2278,2376.61 2125.8,2528.8 ; R6.2@2405.59,2655.47 2253.49,2655.47 2248.11,2650.09 ; 2125.8,2528.8 2126.82,2528.8 2248.11,2650.09
5V: C9.2 C15.1 C17.2 C18.2 D2.1 FB3.1 FB5.1 FB12.1 J1.1 PWM1.3 R22.1 RT9703_1.VOUT | length 7046.4
  Top Layer w10: 1719.18,1044.16 R22.1@1719.18,1092.47
  Top Layer w20: J1.1@1570.37,3279.81 1660.17,3190 v4(1668.25,3190) 1672.88,3190 C9.2@1719.12,3143.75 ; J1.1@1571.78,3281.21 1550.23,3302.76 1550.23,3364.77 ; FB5.1@1684,3545.5 1684,3500.49 1550.23,3366.72 1550.23,3364.77 ; PWM1.3@2414.21,3670 2414.21,3824.94 ; v1(2676,3828) 1551.04,3828 1506.8,3783.75 1506.8,3408.2 1550.23,3364.77
  Top Layer w40: 1598.65,1029 1833.57,1029 D2.1@1840.91,1036.35
  Bottom Layer w10: 1172,2296 1174,2294 C18.2@1174,2231.53 ; C15.1@1973.72,1852.47 2048.53,1852.47 2052,1849
  Bottom Layer w15: FB3.1@2857,3852.5 2927.09,3852.5 C17.2@2933,3846.6
  Bottom Layer w20: v4(1668.25,3190) 1668.25,3152.25 1376,2860 1376,2734 1480.73,2629.27 1666.01,2629.27 1725.39,2569.88 1725.39,2312.01 1740.4,2297 1755,2297 ; v1(2676,3828) 2700.77,3828 2725.27,3852.5 FB3.1@2857,3852.5
  Bottom Layer w40: FB12.1@1005.77,2296 1172,2296 1725.39,2296 1756,2296 ; 1598.65,1029 1598.65,1048.23 1598.65,1406.27 1796,1603.62 1796,1775 1744,1827 1744,2053 1871.5,2180.5 ; 1755,2297 1756,2296 ; 2052,1741 2052,1849 2052,2000 1871.5,2180.5 ; 1756,2296 1871.5,2180.5
  other v1: 1585.63,1017.72 1617.13,1017.72 1585.63,1048.23 1617.13,1048.23
5V_Direct: C16.1 C19.2 C20.2 D4.2 ipCamera?.2 MP2.Vo R19.1 R21.2 R23.1 Receiver2.3 RT9703_1.VIN U4.3 | length 4691.5
  Top Layer w10: MP2.Vo@2527,1454 MP2.Vo@2524,1457 2524,1517 ; R23.1@3111,1377.79 3111,1447.05 3041.05,1517 2524,1517 ; C20.2@3641.51,2109.39 C20.2@3640.53,2108.4 3640.53,2104.46 3685,2059.99 3685,2034.7 3735,1984.7 3735,1880.92 3700.18,1846.1 Receiver2.3@3692.31,1846.1 3529.4,1846.1 3286.5,2089 3182.63,2089 3146.63,2053 3040.2,2053 2524,1536.8 2524,1517
  Top Layer w40: ipCamera?.2@2269,1243 MP2.Vo@2424,1457 MP2.Vo@2524,1457
  Bottom Layer w10: R19.1@1883,1682.47 1964.78,1682.47 2072.12,1575.12 ; D4.2@1979,1266.99 D4.2@1979,1282.74 ; C19.2@2217,1682.47 2217,1598.25 2219,1596.25 ; ipCamera?.2@2263,1249 ipCamera?.2@2269,1243 ; R21.2@2267.53,1508 2309,1508 2341,1540 ; C16.1@2284.59,1338.47 C16.1@2288.53,1338.47 2292.46,1338.47 C16.1@2293.46,1337.47 ; C16.1@2287.53,1337.47 C16.1@2293.46,1337.47 ; C16.1@2294.06,1337.47 C16.1@2293.46,1337.47 ; 2331,1305 2325.94,1305 C16.1@2293.46,1337.47
  Bottom Layer w30: D4.2@1979,1282.74 1979,1361.46
  Bottom Layer w40: U4.3@1852.55,1364.17 1852.55,1361.77 1852.87,1361.46 1979,1361.46 2053,1435.46 2053,1474.31 ; 2048.75,1497 2051,1497 2051,1554 2072.12,1575.12 2093.25,1596.25 2219,1596.25 2284.75,1596.25 2341,1540 MP2.Vo@2424,1457 ; ipCamera?.2@2269,1243 2331,1305 2424,1398 MP2.Vo@2424,1457 ; MP2.Vo@2524,1457 MP2.Vo@2424,1457
5V_Switch_EN: R21.1 RT9703_1.CE U3.12 | length 952.9
  Bottom Layer w10: U3.12@2071.57,735.76 2071.57,859.57 2218.5,1006.5 2218.5,1364.5 2125.82,1457.18 RT9703_1.CE@2125.82,1505.89 2127.93,1508 R21.1@2208.47,1508
+3.3: 3.2 4.2 C12.2 C13.2 C14.1 D3.1 D4.1 R15.1 R17.1 R18.1 U3.5 U3.16 U4.2 U4.4 | length 6317.8
  Top Layer w10: v1(1769.07,748) 2044.83,748 2066,769.17 2066,878.46 2025.94,918.53 R15.1@2022,918.53 ; v1(3257,2239) 3257,2232.59 3293.06,2196.53 4.2@3297,2196.53
  Bottom Layer w10: U4.4@1738.83,1129.83 1734,1125 3.2@1734,956.08 1730.06,956.08 1705.28,931.3 1705.28,757.13 1741.74,720.67 ; v1(1769.07,748) 1741.74,720.67 ; C13.2@1969.2,669.27 U3.16@1969.2,735.76 ; U3.5@1969.2,956.24 1969.2,1111.53 1971.22,1109.51 D4.1@1979,1109.51 ; C13.2@1969.47,668.63 1969.47,664.7 2027.23,606.94 2027.23,604.3 R17.1@2028.53,603 ; D4.1@1979,1125.26 2035.08,1125.26 2054.13,1144.31 2054.13,1237.2 2070.87,1253.94 C14.1@2105.31,1253.94 ; R17.1@2028.53,606.94 2059.59,638 2213.99,638 2273.99,578 D3.1@2289.74,578 ; v1(3257,2239) 3295,2277 3461.87,2277 3742.13,1996.75 3742.13,1820.83 3676.3,1755 3407,1755 3187.5,1535.5 2791.5,1535.5 2635,1379 2635,1237 2289.74,891.74 D3.1@2289.74,578 ; 1741.74,720.67 1855.47,606.94 R18.1@1855.47,603 1855.47,469.33 1998.8,326 2225,326 2288.53,389.53 C12.2@2288.53,468.03 2288.53,576.79 D3.1@2289.74,578
  Bottom Layer w40: U4.4@1762,1135.83 U4.2@1762,1364.17 ; U4.4@1789,1130.54 D4.1@1973.72,1130.54
A_RESET: R8.2 S1.1 U1.14 | length 1516.4
  Top Layer w10: S1.1@2100.28,786 2108,793.72 2108,851.75 R8.2@2100.28,859.47 ; 2144.33,786.67 2144.33,1651.33 2282.32,1789.32 U1.14@2282.32,1962.3
  Top Layer w20: S1.1@2109,786.67 2144.33,786.67 2178,786.67 ; 2179,786.67 S1.1@2313.72,786.67
"CSN SPI": PMW1.CS U1.34 | length 1340.8
  Top Layer w10: U1.34@2559.88,2180.8 2690.2,2180.8 2738,2133 3034.57,2133 3491.57,2590 3690.62,2590 PMW1.CS@3691.31,2590.68
esp_gpio_0: boot_esp1.2 U5.12 | length 246.3
  Bottom Layer w10: boot_esp1.2@2025,3644.3 2090,3579.3 2090,3425.83 U5.12@2090.63,3425.2
esp_gpio_2: R5.1 U5.11 | length 138
  Bottom Layer w10: R5.1@1929,3523.47 R5.1@1935,3523.47 1938.22,3523.47 2011.89,3449.8 U5.11@2011.89,3425.2
esp_gpio_15: R4.1 U5.10 | length 132.3
  Bottom Layer w10: R4.1@1856,3517.47 1865.48,3517.47 U5.10@1933.15,3449.8 ; U5.10@1933.15,3425.2 U5.10@1933.15,3449.8 ; U5.10@1933.15,3452.32 U5.10@1933.15,3449.8
Extra_RX: Extra_Uart1.3 U1.79 | length 1181.8
  Top Layer w10: Extra_Uart1.3@832,2520.21 890.79,2520.21 991,2420 1840,2420 1856.71,2436.71 U1.79@1965.39,2436.71
Extra_RX2: Receiver.2 U1.56 | length 1821.3
  Top Layer w10: U1.56@2400.43,2556.79 2400.43,3538.43 v1(2643,3781)
  Bottom Layer w10: v1(2643,3781) 2639,3785 2639,3848 2673.87,3882.87 2750,3882.87 2912.91,4045.79 Receiver.2@2985,4045.79
Extra_TX: Extra_Uart1.4 U1.78 | length 1194.6
  Top Layer w10: Extra_Uart1.4@832,2569.43 872.57,2569.43 1003,2439 1836.37,2439 1853.77,2456.39 U1.78@1965.39,2456.39
Extra_TX2: U1.23
flag: R19.2 RT9703_1.FLAG | length 95.4
  Bottom Layer w10: R19.2@1883,1741.53 1977.6,1741.53 RT9703_1.FLAG@1978.18,1742.11